# Altium PCB 28Pins_Project_V111_PCB.PcbDoc (continued)
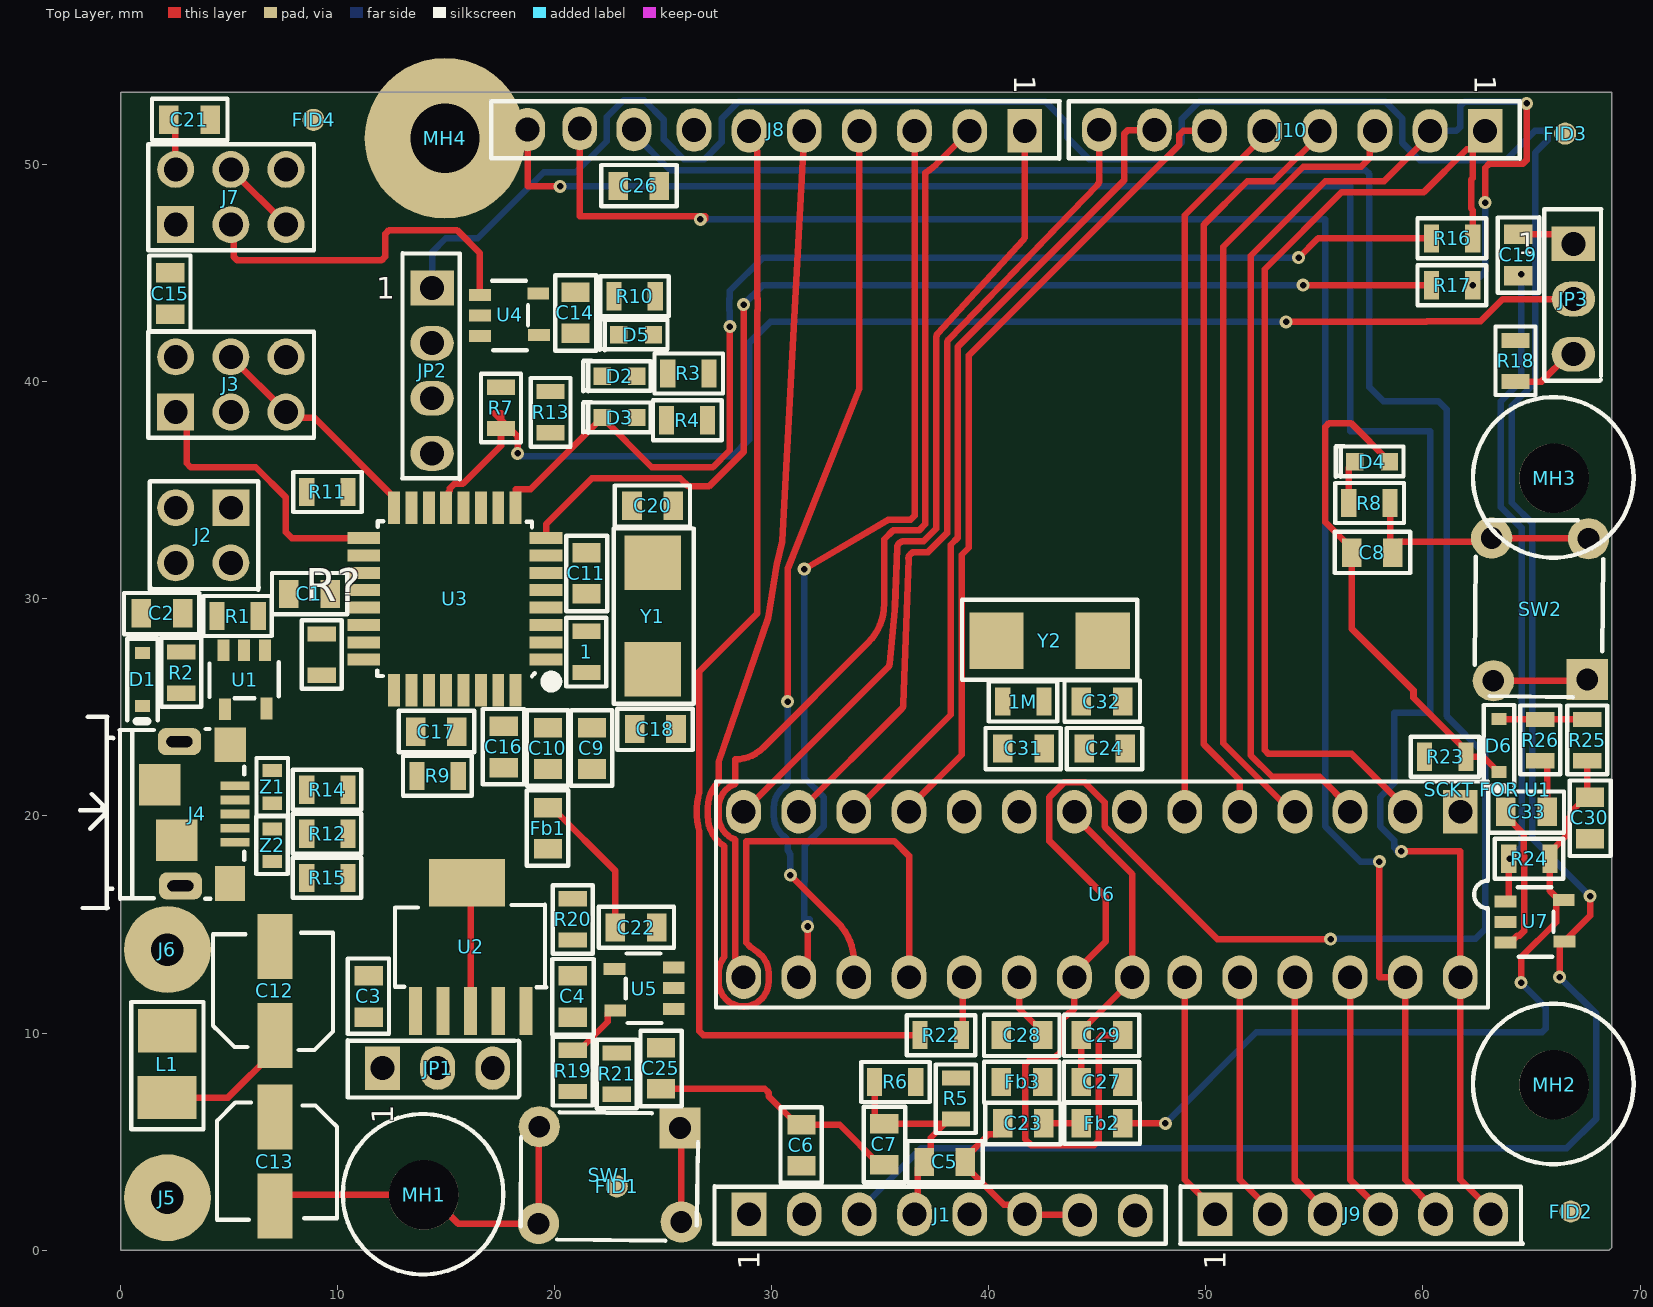
[diagram p0: Top Layer view]
## Part data (continued)
R16 R17 R18: library part RC0805FR-071KL, "Res Thick Film 0805 1KOhm 1% 0.125W(1/8W) 100ppm/C Epoxy Pad SMD T/R", Case Code (Imperial)=0805, Case Code (Metric)=2012, Manufacturer=Yageo, Max Operating Temperature=155°C, Max Power Dissipation=125mW, Min Operating Temperature=-55°C, Package Quantity=1, Resistance=1kR, Resistance Tolerance=1%, Resistor Type="Thick Film", Supplier Part Number 1=311-1.00KCRTR-ND, Temperature Coefficient=100ppm/°C, Voltage Rating=150V, Case/Package=0805, Category="Chip SMD Resistors", ComponentLink1Description=https://datasheet.ciiva.com/46385/444164-46385020.pdf?src-supplier=Element14, ComponentLink1URL=https://datasheet.ciiva.com/46385/444164-46385020.pdf?src-supplier=Element14, ComponentLink2Description=https://datasheet.ciiva.com/2456/pyu-r-int-thick-7-2456975.pdf?src-supplier=Digi-Key, ComponentLink2URL=https://datasheet.ciiva.com/2456/pyu-r-int-thick-7-2456975.pdf?src-supplier=Digi-Key, ComponentLink3Description=https://datasheet.ciiva.com/2456/pyu-r-int-thick-7-2456976.pdf?src-supplier=Digi-Key, ComponentLink3URL=https://datasheet.ciiva.com/2456/pyu-r-int-thick-7-2456976.pdf?src-supplier=Digi-Key, ComponentLink4Description=https://datasheet.ciiva.com/2456/pyu-r-int-thick-7-2456977.pdf?src-supplier=Digi-Key, ComponentLink4URL=https://datasheet.ciiva.com/2456/pyu-r-int-thick-7-2456977.pdf?src-supplier=Digi-Key, ComponentLink5Description=https://datasheet.ciiva.com/16850/rc0805-16850409.pdf?src-supplier=Future+Electronics, ComponentLink5URL=https://datasheet.ciiva.com/16850/rc0805-16850409.pdf?src-supplier=Future+Electronics, ComponentLink6Description=https://datasheet.ciiva.com/7941/1686128-7941719.pdf?src-supplier=Element14, ComponentLink6URL=https://datasheet.ciiva.com/7941/1686128-7941719.pdf?src-supplier=Element14, Construction=Rectangular, Depth=1.25mm, Features="Moisture Resistant", Height=0.024inch, Lead Free="Lead Free", Length=0.079inch, Manufacturer Part Number=RC0805FR-071KL, Military Standard=Not, Number of Pins=2, Number of Terminations=2, Packaging="Tape and Reel", Power Rating=125mW, Pricing 1="5000=0.00544 (USD)", REACH SVHC=Unknown, RoHS=Yes, RoHS Compliant=Yes, Series=RC, Size Code=0805, Stock 1=5888273, Supplier 1=Digi-Key, Termination=SMD/SMT, Tolerance=1%, Voltage Rating (DC)=150V, Width=0.049inch
"SCKT FOR U1": library part 4828-3004-CP, "Socket DIP 28Cnts DualWipe 0.3InSpc. PhosphorBronze Nickel KinkedTail 4800Series", Current Rating=1A, Insulation Resistance=5GR, Manufacturer=3M, Max Operating Temperature=85°C, Min Operating Temperature=-25°C, Package Quantity=5600, Supplier Part Number 1=3M5480-ND, Category=Connectors, ComponentLink1Description=https://datasheet.ciiva.com/768/ts1099-768354.pdf?src-supplier=Digi-Key, ComponentLink1URL=https://datasheet.ciiva.com/768/ts1099-768354.pdf?src-supplier=Digi-Key, Connector Type=DIP, Contact Material=Bronze, Contact Plating=Tin, Depth=10.16mm, Gender=Female, Housing Material=Glass, Insulation Material=Polyester, Lead Free="Lead Free", Length=35.43mm, Manufacturer Part Number=4828-3004-CP, Mount="Through Hole", Number of Contacts=28, Number of Positions=28, Number of Rows=2, Orientation=Straight, Pitch=2.54mm, Pricing 1="1=0.90000, 10=0.76200, 25=0.73040, 40=0.71500, 80=0.68388, 230=0.62174, 440=0.55959, 945=0.49741, 2400=0.45078 (USD)", REACH SVHC=Unknown, RoHS=Yes, Row Spacing=7.62mm, Series=4800, Stock 1=8710, Supplier 1=Digi-Key, Termination=Solder, Width=10.16mm
SW1 SW2: "Switch Tactile OFF (ON) SPST Round Button PC Pins 0.05A 24VDC 1.57N Thru-Hole Loose", Actuator Color=Black, Contact Current Rating=50mA, Contact Resistance=100mR, Manufacturer="TE Connectivity Alcoswitch", Max Operating Temperature=85°C, Max Voltage Rating (DC)=24V, Min Operating Temperature=-35°C, Operating Force=160gf, Package Quantity=750, Supplier Part Number 1=450-1650-ND, Actuator Length=0.055inch, Actuator Material=PBT, Actuator Type=Standard, Category="Pushbutton Switches", ComponentLink1Description=https://datasheet.ciiva.com/30199/1825910-6rqpn1825910-6-30199520.pdf?src-supplier=Onlinecomponents.com, ComponentLink1URL=https://datasheet.ciiva.com/30199/1825910-6rqpn1825910-6-30199520.pdf?src-supplier=Onlinecomponents.com, ComponentLink2Description=https://datasheet.ciiva.com/15184/getdatasheetpartid-395915-15184509.pdf?src-supplier=Verical, ComponentLink2URL=https://datasheet.ciiva.com/15184/getdatasheetpartid-395915-15184509.pdf?src-supplier=Verical, Contact Material="Copper Alloy", Contact Plating=Silver, Electrical Life=100000Cycles, ELV=Compliant, Illumination Type=Non-Illuminated,Illuminated, Lead Free="Lead Free", Length=5.99mm, Manufacturer Part Number=1825910-6, Max Current Rating=50mA, Mechanical Life=100000Cycles, Mount="Through Hole", Orientation=Straight, Packaging="Loose Piece", Pricing 1="1=0.11000, 10=0.11100, 25=0.10520, 100=0.09550, 250=0.08980, 500=0.08216, 1000=0.06879, 2500=0.06688, 5000=0.06306 (USD)", REACH SVHC=Unknown, RoHS=Yes, RoHS Compliant=Yes, Series=FSMJ, Stock 1=154147, Supplier 1=Digi-Key, Switch Function=Off-Mom, Switch Travel=0.25mm, Termination="PC Pins", Throw Configuration=SPST, Type=Switch
U1 U4 U5 U7: "Single 2-input, 2-V to 5.5-V AND gate with open-drain outputs 5-SOT-23 -55 to 125", Case/Package=SOT-23, Low Level Output Current=8mA, Manufacturer="Texas Instruments", Max Operating Temperature=125°C, Max Supply Voltage=5.5V, Min Operating Temperature=-55°C, Min Supply Voltage=2V, Output Current=25mA, Package Quantity=3000, Quiescent Current=1uA, Supplier Part Number 1=296-29202-1-ND, Category="Logic Gates", ComponentLink1Description=https://datasheet.ciiva.com/1864/sn74ahc1g09-1864410.pdf?src-supplier=Digi-Key, ComponentLink1URL=https://datasheet.ciiva.com/1864/sn74ahc1g09-1864410.pdf?src-supplier=Digi-Key, ComponentLink2Description=https://datasheet.ciiva.com/1864/sn74ahc1g09-1864411.pdf?src-supplier=Digi-Key, ComponentLink2URL=https://datasheet.ciiva.com/1864/sn74ahc1g09-1864411.pdf?src-supplier=Digi-Key, ComponentLink3Description=https://datasheet.ciiva.com/1864/sn74ahc1g09-1864412.pdf?src-supplier=Digi-Key, ComponentLink3URL=https://datasheet.ciiva.com/1864/sn74ahc1g09-1864412.pdf?src-supplier=Digi-Key, Contact Plating=Tin,Matte, Lead Free="Lead Free", Logic Function="AND GATE", Manufacturer Part Number=SN74AHC1G09DBVR, Mount="Surface Mount", Number of Bits=1, Number of Circuits=1, Number of Elements=1, Number of Gates=1, Number of Inputs=2, Number of Outputs=1, Number of Pins=5, Output Voltage=5.5V, Packaging="Tape and Reel", Pricing 1="1=0.48000, 10=0.35600, 25=0.31160, 100=0.20170, 250=0.16696, 500=0.13356, 1000=0.10240 (USD)", Propagation Delay=7.5ns, Radiation Hardening=No, REACH SVHC="No SVHC", RoHS=Yes, RoHS Compliant=Yes, Series=74AHC, Supplier 1=Digi-Key, Technology=CMOS
U2: "LDO Regulator Pos 3.3V 1.5A 6-Pin(5+Tab) SOT-223 T/R", Case/Package=SOT-223, Dropout Voltage=340mV, Input Bias Current=1mA, Manufacturer="Texas Instruments", Max Input Voltage=20V, Max Operating Temperature=125°C, Max Output Current=1.5A, Max Output Voltage=3.3V, Min Current Limit=1.6A, Min Input Voltage=2.1V, Min Operating Temperature=-40°C, Package Quantity=1, Supplier Part Number 1=296-24534-1-ND, Accuracy=3%, Category="Voltage Regulators - Linear", ComponentLink1Description=https://datasheet.ciiva.com/2046/tl1963a-2046161.pdf?src-supplier=Digi-Key, ComponentLink1URL=https://datasheet.ciiva.com/2046/tl1963a-2046161.pdf?src-supplier=Digi-Key, ComponentLink2Description=https://datasheet.ciiva.com/2046/tl1963a-2046162.pdf?src-supplier=Digi-Key, ComponentLink2URL=https://datasheet.ciiva.com/2046/tl1963a-2046162.pdf?src-supplier=Digi-Key, ComponentLink3Description=https://datasheet.ciiva.com/2046/tl1963a-2046163.pdf?src-supplier=Digi-Key, ComponentLink3URL=https://datasheet.ciiva.com/2046/tl1963a-2046163.pdf?src-supplier=Digi-Key, ComponentLink4Description=https://datasheet.ciiva.com/26176/tl1963a-25-26176569.pdf?src-supplier=Avnet+Europe, ComponentLink4URL=https://datasheet.ciiva.com/26176/tl1963a-25-26176569.pdf?src-supplier=Avnet+Europe, Contact Plating=Gold, Lead Free="Lead Free", Manufacturer Part Number=TL1963A-33DCQR, Min Output Voltage=3.3V, Number of Outputs=1, Number of Pins=6, Number of Regulators=1, Output Current=1.5A, Output Type=Fixed, Output Voltage=3.3V, Packaging="Tape and Reel", Polarity=Positive, Pricing 1="1=3.62000, 10=3.25200, 25=3.07440, 100=2.66440, 250=2.52772, 500=2.26812, 1000=2.25575 (USD)", Quiescent Current=1mA, Radiation Hardening=No, RoHS=Yes, RoHS Compliant=Yes, Series=-, Supplier 1=Digi-Key
U3: library part ATMEGA16U2-AU, "ATmega Series 16 KB Flash 512 B RAM 16 MHz 8-Bit Microcontroller - TQFP-32", Case/Package=A, Frequency=16MHz, Manufacturer="Microchip / Atmel", Max Operating Temperature=85°C, Max Supply Voltage=5.5V, Min Operating Temperature=-40°C, Min Supply Voltage=2.7V, Package Quantity=1250, Category=Microcontrollers, ComponentLink1Description=https://datasheet.ciiva.com/13036/doc7799-28769-13036800.pdf?src-supplier=Mouser, ComponentLink1URL=https://datasheet.ciiva.com/13036/doc7799-28769-13036800.pdf?src-supplier=Mouser, ComponentLink2Description=https://datasheet.ciiva.com/22651/doc7799-22651110.pdf?src-supplier=Farnell, ComponentLink2URL=https://datasheet.ciiva.com/22651/doc7799-22651110.pdf?src-supplier=Farnell, Contact Plating=Tin,Matte, Core Architecture=AVR, Data Bus Width=8b, Height=1.05mm, Interface=SPI,UART,USB,USART,Serial, Lead Free="Lead Free", Length=7mm, Manufacturer Part Number=ATMEGA16U2-AU, Max Frequency=16MHz, Memory Size=16KB, Memory Type=FLASH, Mount="Surface Mount", Number of I/Os=22, Number of Pins=32, Number of Programmable I/O=22, Number of PWM Channels=5, Number of SPI Channels=1, Number of Timers/Counters=2, Oscillator Type=Internal, Packaging=Tray, Peripherals="Brown-out Detect/Reset,POR,PWM,WDT", RAM Size=512B, REACH SVHC="No SVHC", RoHS=Yes, RoHS Compliant=Yes, Series="AVR® ATmega", Supplier 1="Arrow Electronics", Supplier Part Number 1=ATMEGA16U2-AU, Watchdog Timer=Yes, Width=7mm
U6: "IC MCU 8BIT 32KB FLASH 28DIP", Manufacturer=Microchip, Supplier Part Number 1=ATMEGA328P-PU-ND, Category=Microcontrollers, ComponentLink1Description=http://www.microchip.com/mymicrochip/filehandler.aspx?ddocname=en589968&src-supplier=Jameco, ComponentLink1URL=http://www.microchip.com/mymicrochip/filehandler.aspx?ddocname=en589968&src-supplier=Jameco, ComponentLink2Description=http://www.microchip.com/mymicrochip/filehandler.aspx?ddocname=en589968&src-supplier=Avnet+Europe, ComponentLink2URL=http://www.microchip.com/mymicrochip/filehandler.aspx?ddocname=en589968&src-supplier=Avnet+Europe, ComponentLink3Description=http://www.microchip.com/mymicrochip/filehandler.aspx?ddocname=en589968&src-supplier=Digi-Key, ComponentLink3URL=http://www.microchip.com/mymicrochip/filehandler.aspx?ddocname=en589968&src-supplier=Digi-Key, ComponentLink4Description=http://www.microchip.com/mymicrochip/filehandler.aspx?ddocname=en589968&src-supplier=Onlinecomponents.com, ComponentLink4URL=http://www.microchip.com/mymicrochip/filehandler.aspx?ddocname=en589968&src-supplier=Onlinecomponents.com, ComponentLink5Description=http://www.microchip.com/mymicrochip/filehandler.aspx?ddocname=en589968&src-supplier=Avnet, ComponentLink5URL=http://www.microchip.com/mymicrochip/filehandler.aspx?ddocname=en589968&src-supplier=Avnet, ComponentLink6Description=http://www.farnell.com/datasheets/798182.pdf?src-supplier=Newark, ComponentLink6URL=http://www.farnell.com/datasheets/798182.pdf?src-supplier=Newark, ComponentLink7Description=http://www.microchip.com/mymicrochip/filehandler.aspx?ddocname=en589968&src-supplier=Verical, ComponentLink7URL=http://www.microchip.com/mymicrochip/filehandler.aspx?ddocname=en589968&src-supplier=Verical, ComponentLink8Description=http://www.farnell.com/datasheets/2047852.pdf?src-supplier=Element14, ComponentLink8URL=http://www.farnell.com/datasheets/2047852.pdf?src-supplier=Element14, ComponentLink9Description=https://4donline.ihs.com/images/VipMasterIC/IC/ATML/ATML-S-A0002642585/ATML-S-A0002642585-1.pdf?hkey=6D3A4C79FDBF58556ACFDE234799DDF0&src-supplier=Farnell, ComponentLink9URL=https://4donline.ihs.com/images/VipMasterIC/IC/ATML/ATML-S-A0002642585/ATML-S-A0002642585-1.pdf?hkey=6D3A4C79FDBF58556ACFDE234799DDF0&src-supplier=Farnell, ComponentLink10Description=http://www.microchip.com/mymicrochip/filehandler.aspx?ddocname=en589968&src-supplier=RSComponents, ComponentLink10URL=http://www.microchip.com/mymicrochip/filehandler.aspx?ddocname=en589968&src-supplier=RSComponents, ComponentLink11Description=http://www.microchip.com/mymicrochip/filehandler.aspx?ddocname=en589968&src-supplier=Mouser, ComponentLink11URL=http://www.microchip.com/mymicrochip/filehandler.aspx?ddocname=en589968&src-supplier=Mouser, ComponentLink12Description=http://www.microchip.com/mymicrochip/filehandler.aspx?ddocname=en589968&src-supplier=Conrad, ComponentLink12URL=http://www.microchip.com/mymicrochip/filehandler.aspx?ddocname=en589968&src-supplier=Conrad, ComponentLink13Description=http://www.microchip.com/mymicrochip/filehandler.aspx?ddocname=en589968&src-supplier=Rochester+Electronics, ComponentLink13URL=http://www.microchip.com/mymicrochip/filehandler.aspx?ddocname=en589968&src-supplier=Rochester+Electronics, ComponentLink14Description=http://www.microchip.com/mymicrochip/filehandler.aspx?ddocname=en589968&src-supplier=TME, ComponentLink14URL=http://www.microchip.com/mymicrochip/filehandler.aspx?ddocname=en589968&src-supplier=TME, ComponentLink15Description=http://www.microchip.com/mymicrochip/filehandler.aspx?ddocname=en589968&src-supplier=Schukat, ComponentLink15URL=http://www.microchip.com/mymicrochip/filehandler.aspx?ddocname=en589968&src-supplier=Schukat, ComponentLink16Description=http://www.microchip.com/mymicrochip/filehandler.aspx?ddocname=en589968&src-supplier=microchipDIRECT, ComponentLink16URL=http://www.microchip.com/mymicrochip/filehandler.aspx?ddocname=en589968&src-supplier=microchipDIRECT, ComponentLink17Description=http://www.microchip.com/mymicrochip/filehandler.aspx?ddocname=en589968&src-supplier=SOS+electronic, ComponentLink17URL=http://www.microchip.com/mymicrochip/filehandler.aspx?ddocname=en589968&src-supplier=SOS+electronic, ComponentLink18Description=http://www.microchip.com/mymicrochip/filehandler.aspx?ddocname=en589968&src-supplier=NAC+Semi, ComponentLink18URL=http://www.microchip.com/mymicrochip/filehandler.aspx?ddocname=en589968&src-supplier=NAC+Semi, ComponentLink19Description=http://www.microchip.com/mymicrochip/filehandler.aspx?ddocname=en589968&src-supplier=Electro+Sonic, ComponentLink19URL=http://www.microchip.com/mymicrochip/filehandler.aspx?ddocname=en589968&src-supplier=Electro+Sonic, Manufacturer Part Number=ATMEGA328P-PU, Number of Pins=28, Pricing 1="1=2.82000, 25=2.58760, 100=2.34000 (USD)", RoHS=Yes, RoHS Compliant=Yes, Stock 1=27334, Supplier 1=Digi-Key
Y1 Y2: "Crystal 16MHz ±20ppm (Tol) ±30ppm (Stability) 18pF FUND 50Ohm 2-Pin Mini-CSMD T/R", Case/Package=CSMD, ESR (Equivalent Series Resistance)=50R, Frequency=16MHz, Frequency Stability=30ppm, Frequency Tolerance=20ppm, Load Capacitance=18pF, Manufacturer=Abracon, Max Operating Temperature=85°C, Min Operating Temperature=-40°C, Operating Frequency="16 MHz", Package Quantity=1000, Resistor Type=Ceramic, Supplier Part Number 1=1710290, Category=Crystals, ComponentLink1Description=https://datasheet.ciiva.com/15116/getdatasheetpartid-721624-15116835.pdf?src-supplier=Verical, ComponentLink1URL=https://datasheet.ciiva.com/15116/getdatasheetpartid-721624-15116835.pdf?src-supplier=Verical, ComponentLink2Description=https://datasheet.ciiva.com/5788/abm7-5788054.pdf?src-supplier=Farnell, ComponentLink2URL=https://datasheet.ciiva.com/5788/abm7-5788054.pdf?src-supplier=Farnell, ComponentLink3Description=https://datasheet.ciiva.com/18649/abm7-18649865.pdf?src-supplier=Digi-Key, ComponentLink3URL=https://datasheet.ciiva.com/18649/abm7-18649865.pdf?src-supplier=Digi-Key, ComponentLink4Description=https://datasheet.ciiva.com/18649/abm7-18649866.pdf?src-supplier=Digi-Key, ComponentLink4URL=https://datasheet.ciiva.com/18649/abm7-18649866.pdf?src-supplier=Digi-Key, ComponentLink5Description=https://datasheet.ciiva.com/18649/abm7-18649867.pdf?src-supplier=Digi-Key, ComponentLink5URL=https://datasheet.ciiva.com/18649/abm7-18649867.pdf?src-supplier=Digi-Key, ComponentLink6Description=https://datasheet.ciiva.com/16383/abm7-16383174.pdf?src-supplier=Future+Electronics, ComponentLink6URL=https://datasheet.ciiva.com/16383/abm7-16383174.pdf?src-supplier=Future+Electronics, ComponentLink7Description=https://datasheet.ciiva.com/7998/947971-7998600.pdf?src-supplier=Element14, ComponentLink7URL=https://datasheet.ciiva.com/7998/947971-7998600.pdf?src-supplier=Element14, ComponentLink8Description=https://datasheet.ciiva.com/26941/getdatasheetpartid-719818-26941724.pdf?src-supplier=Verical, ComponentLink8URL=https://datasheet.ciiva.com/26941/getdatasheetpartid-719818-26941724.pdf?src-supplier=Verical, ComponentLink9Description=https://datasheet.ciiva.com/22658/947971-22658293.pdf?src-supplier=Element14, ComponentLink9URL=https://datasheet.ciiva.com/22658/947971-22658293.pdf?src-supplier=Element14, ComponentLink10Description=https://datasheet.ciiva.com/46385/947971-46385243.pdf?src-supplier=Element14, ComponentLink10URL=https://datasheet.ciiva.com/46385/947971-46385243.pdf?src-supplier=Element14, Depth=3.5mm, Height=0.055inch, Lead Free="Lead Free", Length=6mm, Manufacturer Part Number=ABM7-16.000MHZ-D2Y-T, Mount="Surface Mount", Number of Pins=2, Packaging="Tape and Reel", Pricing 1="1000=0.52200, 3000=0.50800, 1000=0.37700, 3000=0.36700 (USD)", Radiation Hardening=No, REACH SVHC=Unknown, RoHS=Yes, Series=ABM7, Stock 1=740, Supplier 1=RSComponents, Termination=SMD/SMT, Tolerance=20ppm, Width=3.3mm
Z1 Z2: "ESD Suppressor Multilayer Varistor 5V Automotive 2-Pin Case 0603(1608Metric) T/R", Capacitance=0.5pF, Case Code (Imperial)=0603, Case Code (Metric)=1608, Clamping Voltage=20V, Current Rating=50nA, Manufacturer=Bourns, Max Operating Temperature=85°C, Max Voltage Rating (DC)=5V, Min Operating Temperature=-40°C, Package Quantity=1, Supplier Part Number 1=CG0603MLC-05ETR-ND, Voltage Rating (AC)=8V, Case/Package=0603, Category=Varistors, ComponentLink1Description=https://datasheet.ciiva.com/27747/1163231-27747629.pdf?src-supplier=Jameco, ComponentLink1URL=https://datasheet.ciiva.com/27747/1163231-27747629.pdf?src-supplier=Jameco, ComponentLink2Description=https://datasheet.ciiva.com/1278/1785244-1278701.pdf?src-supplier=Element14, ComponentLink2URL=https://datasheet.ciiva.com/1278/1785244-1278701.pdf?src-supplier=Element14, ComponentLink3Description=https://datasheet.ciiva.com/8084/mlc-8084047.pdf?src-supplier=Avnet, ComponentLink3URL=https://datasheet.ciiva.com/8084/mlc-8084047.pdf?src-supplier=Avnet, ComponentLink4Description=https://datasheet.ciiva.com/6991/mlc-6991832.pdf?src-supplier=Digi-Key, ComponentLink4URL=https://datasheet.ciiva.com/6991/mlc-6991832.pdf?src-supplier=Digi-Key, ComponentLink5Description=https://datasheet.ciiva.com/6991/mlc-6991834.pdf?src-supplier=Digi-Key, ComponentLink5URL=https://datasheet.ciiva.com/6991/mlc-6991834.pdf?src-supplier=Digi-Key, ComponentLink6Description=https://datasheet.ciiva.com/6991/mlc-6991836.pdf?src-supplier=Digi-Key, ComponentLink6URL=https://datasheet.ciiva.com/6991/mlc-6991836.pdf?src-supplier=Digi-Key, ComponentLink7Description=https://datasheet.ciiva.com/30070/mlc-30070503.pdf?src-supplier=Onlinecomponents.com, ComponentLink7URL=https://datasheet.ciiva.com/30070/mlc-30070503.pdf?src-supplier=Onlinecomponents.com, ComponentLink8Description=https://datasheet.ciiva.com/25958/mlc-25958222.pdf?src-supplier=Avnet+Europe, ComponentLink8URL=https://datasheet.ciiva.com/25958/mlc-25958222.pdf?src-supplier=Avnet+Europe, ComponentLink9Description=https://datasheet.ciiva.com/22696/1785244-22696318.pdf?src-supplier=Element14, ComponentLink9URL=https://datasheet.ciiva.com/22696/1785244-22696318.pdf?src-supplier=Element14, Contact Plating=Tin, Depth=0.8mm, Element Configuration=Single, Leakage Current=50nA, Length=1.6mm, Manufacturer Part Number=CG0603MLC-05E, Number of Channels=1, Number of Circuits=1, Number of Pins=2, Operating Supply Voltage=5V, Packaging="Tape and Reel", Pricing 1="5000=0.08840, 10000=0.08060, 25000=0.07540, 50000=0.06916 (USD)", Radiation Hardening=No, REACH SVHC="No SVHC", RoHS=Yes, RoHS Compliant=Yes, Series=MLC, Stock 1=76176, Supplier 1=Digi-Key, Termination=SMD/SMT, Thickness=0.8mm, Turn-On Delay Time=1ns, Voltage=5V, Voltage Rating (DC)=5V, Width=0.8mm, Working Voltage=5V

## Via types
v1: diameter 0.6, hole 0.3, Top Layer to Bottom Layer, 25 vias

## Nets (pads, with @x,y where several pads share a name; then routed paths per layer and width w, separated by ;. In a path a pad name is that pad's centre, name@x,y a point inside that pad or via, vN(x,y) a via of type N, cw(c..) or ccw(c..) an arc to the next point about the centre after c; other vN are vias at no path point)
16U2_16MHZ_XTAL1: 1.1 C20.2 U3.1 Y1.1
16U2_16MHZ_XTAL2: 1.2 C18.2 R13.2 U3.2 Y1.2
16U2_BUF_RESETn: C2.2 R2.2 U1.1 U1.2
16U2_MISO: J3.1 U3.17 | length 13.1
  Top Layer w0.3: J3.1 3.048,38.1 3.048,36.244 3.224,36.068 6.223,36.068 7.62,34.671 7.62,33.069 7.889,32.8 U3.17
16U2_MOSI: J3.4 U3.16 | length 10.7
  Top Layer w0.3: J3.4@5.08,41.148 7.62,38.608 7.873,38.355 8.92,38.355 12.6,34.675 U3.16
16U2_PB4: J2.1 JP2.2 U3.18
16U2_RESETn: JP2.3 JP2.4 R?.2 U1.4 U3.24
16U2_RX_LED: D3.1 R16.1 U3.9 U3.10 | length 54
  Top Layer w0.3: U3.9 18.21,34.21 18.21,35.052 18.885,35.052 D3.1 24.473,36.068 27.288,36.068 28.067,36.847 v1(28.067,42.545) ; v1(54.276,45.72) 55.165,46.609 R16.1
  Bottom Layer w0.3: v1(28.067,42.545) 28.067,43.277 28.052,43.292 28.052,43.83 28.067,43.845 28.067,44.196 29.591,45.72 v1(54.276,45.72)
16U2_RXD: R17.1 U3.8 | length 50.3
  Top Layer w0.3: U3.8 19.6,33.443 21.717,35.56 25.786,35.56 26.167,35.179 27.106,35.179 28.717,36.79 28.717,43.546 v1(28.702,43.561) ; v1(54.483,44.45) R17.1
  Bottom Layer w0.3: v1(28.702,43.561) 29.591,44.45 v1(54.483,44.45)
16U2_SCLK: J3.3 R11.2
16U2_SCLK_R: R11.1 U3.15
16U2_TX_LED: D2.1 U3.11
16U2PROG_328P_RESETn: JP3.2 R7.1 U3.13 | length 62.6
  Top Layer w0.3: U3.13 15.125,34.325 15.125,34.926 15.175,34.976 15.175,35.095 15.38,35.3 15.775,35.3 17.526,37.051 R7.1 17.526,38.256 ; v1(18.288,36.703) 18.288,37.494 17.526,38.256 ; v1(53.694,42.757) 60.156,42.757 60.198,42.799 62.655,42.799 63.671,43.815 JP3.2 ; 17.526,38.256 17.223,38.559 17.526,38.559 17.526,38.256
  Bottom Layer w0.3: v1@18.2,36.703 18.327,36.576 28.194,36.576 28.956,37.338 28.956,41.783 29.93,42.757 v1(53.694,42.757)
"328p BUF RESETn": C33.2 R26.2 U7.2 | length 2.5
  Top Layer w0.3: R26.2 65.52,22.545 65.72,22.345 C33.2
328P_16MHZ_XTAL1: 1M.1 C32.2 U6.9 Y2.1
328P_16MHZ_XTAL2: 1M.2 C31.2 U6.10 Y2.2
328P_AUTORESETn: C19.1 R24.1 U7.1 | length 30.1
  Top Layer w0.3: U7.1 63.822,16.063 63.947,16.188 R24.1 ; C19.1 64.455,44.897 v1(64.516,44.958)
  Bottom Layer w0.3: v1(64.008,18.034) 64.541,18.567 64.541,33.271 63.59,34.222 63.59,39.102 64.516,40.028 v1(64.516,44.958)
328P_RESETn: J1.3 JP2.1 R23.1 U6.1 U7.4 | length 150.9
  Top Layer w0.3: v1(66.294,12.573) 66.294,14.099 66.419,14.224 U7.4 67.699,15.399 v1(67.699,16.303)
  Bottom Layer w0.3: v1(14.351,44.323) 14.351,45.974 14.986,46.609 16.456,46.609 19.5,49.653 20.971,49.653 22.402,51.084 22.402,52.202 23.172,52.971 24.124,52.971 25.034,52.062 25.034,51.163 25.943,50.254 26.895,50.254 27.688,51.046 27.688,52.12 28.48,52.912 42.601,52.912 43.612,51.901 43.612,51.259 44.623,50.248 48.107,50.248 48.898,51.039 48.898,52.121 49.689,52.912 58.261,52.912 59.055,52.118 59.055,51.006 59.849,50.212 63.81,50.212 65.16,51.562 65.567,51.562 65.743,51.386 65.743,51.138 65.166,50.561 65.166,39.97 64.09,38.894 64.09,34.429 65.041,33.478 65.041,18.96 v1(67.699,16.303) ; J1.3 34.163,1.651 34.417,1.397 34.417,2.232 36.884,4.699 66.626,4.699 67.99,6.063 67.99,10.877 v1(66.294,12.573)
+3V3: C3.2 C4.2 C5.2 C7.2 C13.1 C16.2 J1.4 J1.5 J5.1 JP1.1 JP1.3 L1.2 R5.1 R6.2 U2.1 U2.2 U2.5 U3.31 | length 10
  Top Layer w0.3: R6.2 34.737,6.127 35.037,5.827 C7.2 R5.1@37.973,5.827 ; J1.4 36.723,1.798 36.723,3.764 C5.2 37.323,4.364 37.323,5.177 R5.1@37.973,5.827 ; R5.1@38.181,6.035 R5.1@37.973,5.827
+3V3_16U2_UCAP: C17.1 R9.1 U3.27
+5V/3V3: C1.2 C6.2 C8.2 C14.2 C15.2 C21.2 C22.2 C30.2 D1.1 D4.2 D6.1 Fb1.1 Fb2.1 Fb3.1 J1.2 J3.2 J7.2 JP1.2 R1.2 R3.2 R4.2 R5.2 R6.1 R7.2 R10.2 R13.1 R19.2 R23.2 R24.2 R25.2 R?.1 U1.5 U4.5 U5.5 U7.5 | length 72
  Top Layer w0.3: C21.2 2.525,51.77 2.525,49.799 J7.2 ; Fb1.1 19.885,20.381 22.799,17.467 C22.2 ; R19.2 21.128,9.205 22.446,10.523 22.446,10.919 22.571,11.044 U5.5 ; Fb2.1 v1(48.133,5.842) ; D4.2 56.68,38.1 55.675,38.1 55.499,37.924 55.499,33.54 56.708,32.331 C8.2 56.708,28.636 59.563,25.781 59.563,25.446 61.976,23.033 R23.2 62.776,22.733 63.307,22.202 63.307,22.151 63.436,22.022 D6.1 ; v1(64.516,12.319) 64.516,13.486 66.135,15.106 66.135,16.009 U7.5@66.26,16.134 ; U7.5 U7.5@66.26,16.134 ; R25.2 67.564,20.984 C30.2 67.491,20.857 66.801,20.168 66.801,19.992 66.691,19.882 66.691,19.178 65.847,18.334 R24.2 65.847,16.547 U7.5@66.26,16.134
  Bottom Layer w0.3: v1(48.133,5.842) 52.324,10.033 65.483,10.033 65.659,10.209 65.659,11.176 v1(64.516,12.319)
+5V/3V3_16U2: C9.2 C10.2 C11.2 Fb1.2 R9.2 U3.4 U3.32
+5V/3V3_328P_AVCC: C27.2 C28.2 Fb3.2 U6.20 | length 3.1
  Top Layer w0.3: U6.20 41.402,11.123 42.119,10.406 42.179,10.406 42.479,10.106 C28.2
+5V/3V3_328P_VCC: C23.2 C24.2 Fb2.2 U6.7 | length 1.7
  Top Layer w0.3: C23.2 Fb2.2
+5V_USB: C12.1 J4.1 L1.1 | length 6.6
  Top Layer w0.3: L1.1 4.954,7.03 7.112,9.188 C12.1
+AREF: C26.2 C29.2 J8.8 U6.21 | length 126
  Top Layer w0.3: C29.2 45.238,9.906 45.062,9.73 45.062,5.047 44.857,4.842 41.945,4.842 41.679,5.108 41.679,8.542 41.991,8.854 43.022,8.854 43.334,9.167 43.334,10.573 43.667,10.906 43.725,10.906 43.942,11.123 43.942,12.773 45.393,14.224 45.393,16.246 42.792,18.847 42.792,20.869 43.466,21.543 44.418,21.543 45.332,20.629 45.332,19.517 50.52,14.328 v1(55.744,14.328)
  Bottom Layer w0.3: J8.8 23.648,51.421 25.322,49.748 57.355,49.748 57.531,49.572 57.531,39.751 58.166,39.116 60.706,39.116 61.087,38.735 61.087,24.606 62.872,22.821 62.872,14.788 62.435,14.351 55.766,14.351 v1(55.744,14.328)
\: R19.1 R21.1 SW1.1 SW1.2 | length 4.3
  Top Layer w0.3: SW1.1 25.833,5.562 SW1.2
AD0: J9.1 U6.23 | length 11.5
  Top Layer w0.3: U6.23 49.022,3.248 50.419,1.851 J9.1
AD1: J9.2 U6.24 | length 11.5
  Top Layer w0.3: U6.24 51.562,3.248 52.959,1.851 J9.2
AD2: J9.3 U6.25 | length 11.5
  Top Layer w0.3: U6.25 54.102,3.248 55.499,1.851 J9.3
AD3: J9.4 U6.26 | length 11.5
  Top Layer w0.3: U6.26 56.642,3.248 58.039,1.851 J9.4
AD4/SDA: J8.9 J9.5 U6.27 | length 88.1
  Top Layer w0.3: J8.9 21.157,47.625 26.924,47.625 26.924,47.488 v1(26.709,47.488) ; v1(57.987,17.899) 57.987,12.573 U6.27 59.182,3.248 60.579,1.851 J9.5
  Bottom Layer w0.3: v1(26.709,47.488) 55.499,47.488 55.499,24.179 55.492,24.172 55.492,19.517 57.109,17.899 v1(57.987,17.899)
AD5/SCL: J8.10 J9.6 U6.28 | length 97.4
  Top Layer w0.3: J8.10 18.753,49.003 v1(20.246,49.003) ; v1(59.003,18.374) 61.722,18.374 U6.28 61.722,3.248 63.119,1.851 J9.6
  Bottom Layer w0.3: v1(20.246,49.003) 56.642,49.003 56.642,37.719 60.325,37.719 60.325,24.765 58.674,24.765 58.674,21.511 58.032,20.869 58.032,19.517 58.674,18.875 58.674,18.542 58.801,18.542 58.801,18.374 v1(59.003,18.374)
BUTTON_RESETn: D6.2 R25.1 R26.1 SW2.1 SW2.2 | length 8.4
  Top Layer w0.3: SW2.2 67.505,26.23 SW2.1 ; D6.2 63.508,24.453 65.397,24.453 R26.1 R25.1
CON_USB_N: J4.2 R12.1
CON_USB_P: J4.3 R14.1
GND: C2.1 C3.1 C4.1 C5.1 C6.1 C7.1 C8.1 C9.1 C10.1 C12.2 C13.2 C14.1 C15.1 C17.2 C18.1 C20.1 C21.1 C22.1 C23.1 C24.1 C25.1 C26.1 C27.1 C28.1 C29.1 C31.1 C32.1 C33.1 J1.6 J1.7 J4.5 J6.1 J7.6 J8.7 MH1.1 MH2.1 MH3.1 R8.1 R15.1 R18.1 SW1.3 SW1.4 SW2.3 SW2.4 U1.3 U2.3 U2.6 U3.3 U3.28 U4.3 U5.3 U6.8 U6.22 U7.3 Z1.1 | length 77.5
  Top Layer w0.3: C13.2 7.62,2.54 MH1.1 14.231,2.54 15.55,1.221 SW1.4 19.271,1.239 19.271,5.666 SW1.3 ; U2.6 16.129,16.761 U2.3 ; C25.1 29.676,7.432 29.852,7.256 29.852,7.093 31.169,5.776 C6.1 33.13,5.776 34.979,3.927 C7.1 ; C23.1 40.64,5.642 40.34,5.342 40.001,5.342 38.923,4.264 C5.1 38.923,3.864 40.687,2.1 41.207,2.1 J1.6 41.674,1.633 44.173,1.633 J1.7 ; U6.8 43.942,19.993 46.609,17.326 U6.22 46.609,12.453 44.262,10.106 C29.1 C27.1 ; R8.1 58.481,32.258 C8.1 58.608,32.331 58.908,32.631 62.986,32.631 SW2.4 63.182,32.791 67.609,32.791 SW2.3 ; U7.3 64.026,14.163 64.351,14.488 64.446,14.488 64.658,14.7 64.658,18.153 ; C33.1 63.82,19.993 64.647,19.166 64.647,18.153
IO0: J10.1 R16.2 U6.2 | length 47.1
  Top Layer w0.3: U6.2 59.182,20.393 56.715,22.86 52.881,22.86 52.705,23.036 52.705,45.186 56.261,48.742 60.045,48.742 62.015,50.712 62.215,50.712 J10.1@62.291,50.788 ; R16.2 62.291,47.915 62.215,47.991 62.215,49.313 62.291,49.389 J10.1@62.291,50.788 ; J10.1 62.291,50.988 J10.1@62.291,50.788
IO1: J10.2 R17.2 U6.3 | length 55.6
  Top Layer w0.3: U6.3 56.642,20.393 55.232,21.803 53.055,21.803 52.07,22.788 52.07,45.813 55.499,49.242 58.205,49.242 60.325,51.362 J10.2 ; v1(62.865,48.26) 62.865,49.862 63.041,50.038 64.594,50.038 64.77,50.214 v1(64.77,52.832)
  Bottom Layer w0.3: J10.2 61.539,51.562 61.715,51.738 61.715,52.707 61.92,52.912 64.85,52.912 v1(64.77,52.832) ; v1(62.291,44.45) 62.291,44.511 62.865,45.085 v1(62.865,48.26)
IO2: J10.3 U6.4 | length 37.3
  Top Layer w0.3: U6.4 53.958,20.193 50.8,23.351 50.8,46.228 54.483,49.911 57.15,49.911 57.536,50.297 57.536,51.313 J10.3
IO3: J10.4 U6.5 | length 35
  Top Layer w0.3: U6.5 51.562,21.643 49.911,23.294 49.911,47.244 51.909,49.242 53.107,49.242 54.276,50.411 54.294,50.411 55.245,51.362 J10.4
IO4: J10.5 U6.6 | length 32.9
  Top Layer w0.3: U6.6 49.022,47.679 52.705,51.362 J10.5
IO5: J10.6 U6.11 | length 37.8
  Top Layer w0.3: U6.11 36.322,20.393 38.749,22.82 38.749,32.031 39.076,32.358 39.076,41.217 46.246,48.387 48.78,50.921 48.78,51.386 48.956,51.562 J10.6
IO6: J10.7 U6.12 | length 37.9
  Top Layer w0.3: U6.12 38.249,24.66 38.249,32.5 38.576,32.827 38.576,41.624 46.232,49.28 46.232,51.422 46.408,51.598 J10.7
IO7: J10.8 U6.13 | length 37.3
  Top Layer w0.3: U6.13 35.98,24.931 ccw(c35.767,25.142) 36.067,25.133 36.299,31.865 cw(c36.599,31.855) 36.599,32.155 37.197,32.155 38.076,33.034 38.076,41.761 cw(c38.376,41.761) 38.159,41.968 44.997,49.063 ccw(c44.782,49.272) 45.082,49.269 45.082,49.27 J10.8
IO8: J8.1 R20.2 U6.14 | length 37
  Top Layer w0.3: U6.14 35.345,26.836 ccw(c35.133,27.048) 35.432,27.021 35.665,29.484 ccw(c32.639,29.772) 35.677,29.656 35.782,32.367 cw(c36.082,32.355) 36.082,32.655 36.99,32.655 37.576,33.241 37.576,42.036 cw(c37.876,42.036) 37.655,42.239 41.577,46.53 ccw(c41.356,46.733) 41.656,46.733 J8.1
IO9: J8.2 U6.15 | length 45.2
  Top Layer w0.3: U6.15 cw(c29.622,13.493) 28.321,13.493 28.321,18.908 cw(c28.702,19.993) 27.552,19.993 27.552,20.393 cw(c28.702,20.393) 28.321,21.478 28.321,22.606 ccw(c28.321,24.402) 29.591,23.132 34.435,27.976 ccw(c32.639,29.772) 35.179,29.772 35.179,32.748 35.586,33.155 36.783,33.155 37.076,33.448 37.076,49.633 ccw(c35.778,51.816) 37.574,50.02 J8.2
MISO: J7.1 J8.5 U6.18 | length 64
  Top Layer w0.3: J8.5 31.496,51.486 30.486,32.652 30.234,31.592 29.837,29.13 27.552,22.475 27.552,22.432 27.552,21.576 ccw(c28.702,20.393) 27.052,20.393 27.052,19.993 ccw(c28.702,19.993) 27.821,18.598 27.821,13.512 ccw(c28.702,12.773) 27.552,12.773 27.552,12.373 ccw(c28.702,12.373) 29.852,12.373 29.852,12.773 ccw(c28.702,12.773) 29.385,13.698 28.997,13.985 28.821,14.161 28.821,18.843 35.64,18.843 36.322,18.161 U6.18
MOSI: J7.4 J8.4 U6.17 | length 44.8
  Top Layer w0.3: J7.4@5.08,49.784 J7.4@7.62,47.244 ; v1(30.734,25.273) 30.734,31.136 30.734,31.384 34.036,39.709 J8.4 ; v1(30.861,17.272) 33.038,15.095 cw(c31.242,13.299) 33.782,13.299 U6.17
  Bottom Layer w0.3: v1(30.734,25.273) 30.734,21.598 cw(c30.434,21.597) 30.601,21.348 ccw(c31.242,20.393) 30.092,20.393 30.092,19.993 ccw(c31.242,19.993) 30.601,19.038 cw(c30.434,18.789) 30.734,18.788 30.734,18.415 cw(c30.427,18.108) 30.861,18.108 v1(30.861,17.272)
NetC19_2: C19.2 JP3.1 | length 2.7
  Top Layer w0.3: C19.2 66.487,46.797 JP3.1
NetD1_2: D1.2 R1.1 R2.1
NetD2_2: D2.2 R3.1
NetD3_2: D3.2 R4.1
NetD4_1: D4.1 R8.2 | length 2
  Top Layer w0.3: R8.2 56.581,36.045 D4.1
NetD5_1: D5.1 U4.4
NetJ4_4: J4.4 R15.2
NetJP3_3: JP3.3 R18.2 | length 3.2
  Top Layer w0.3: R18.2 65.464,40.01 66.729,41.275 JP3.3
NetR12_2: R12.2 R14.2 U3.29 U3.30 Z1.2 Z2.2
NetR20_1: R20.1 U5.4
PB5: J2.3 U3.19
PB6: J2.2 U3.20
PB7: J2.4 U3.21
SCK: J7.3 J8.6 R22.2 U4.1 U4.2 | length 69.5
  Top Layer w0.3: J7.3 5.207,47.117 5.207,45.769 5.383,45.593 12.016,45.593 12.192,45.769 12.192,46.814 12.368,46.99 15.494,46.99 16.557,45.927 U4.1 ; J8.6 28.956,51.01 29.337,50.629 29.337,43.845 29.352,43.83 29.352,43.292 29.337,43.277 29.337,29.337 26.67,26.67 26.67,21.095 ccw(c28.702,20.393) 26.552,20.393 26.552,19.993 ccw(c28.702,19.993) 26.67,19.291 26.67,10.082 26.846,9.906 R22.2
SCK_R: R22.1 U6.19 | length 2.7
  Top Layer w0.3: R22.1 38.798,9.97 38.798,12.509 U6.19
SS: J8.3 U6.16 | length 43.8
  Top Layer w0.3: U6.16 31.651,12.573 v1(31.651,14.908) ; v1(31.496,31.369) 35.379,33.655 36.4,33.655 36.576,33.831 J8.3
  Bottom Layer w0.3: v1(31.496,31.369) 31.496,21.765 32.392,20.869 32.392,19.517 31.511,18.636 31.511,17.003 31.496,16.988 31.496,15.24 31.75,15.24 31.75,14.908 v1(31.651,14.908)
USER_BUTTON_BUF: C25.2 R21.2 U5.1 U5.2
pads on no net: C1.1 C11.1 C16.1 C30.1 D5.2 FID1.1 FID2.1 FID3.1 FID4.1 J1.1 J1.8 J3.6 J4.6 J4.7 J4.8 J4.9 J4.10 J4.11 MH4.1 R10.1 U2.4 U3.5 U3.6 U3.7 U3.12 U3.14 U3.22 U3.23 U3.25 U3.26 Z2.1

## Silkscreen, mask and mechanical layers (free items; w line width, h text height)
Drill Drawing:
  lines w0.2: 0,0.254 0.381,-0.127 68.326,-0.127 68.707,0.254 68.707,53.467 0.381,53.467 0,53.086 0,0.254

## Text inside footprints (layer, text, board x,y; h text height)
J1: Top Overlay "1" at 29.444,-0.913 h1 r90
J8: Top Overlay "1" at 41.168,54.126 h1 r270
J9: Top Overlay "1" at 50.907,-0.913 h1 r90
J10: Top Overlay "1" at 62.377,54.126 h1 r270
JP1: Top Overlay "1" at 12.553,5.818 h1 r90
JP2: Top Overlay "1" at 11.787,43.835 h1
JP3: Top Overlay "1" at 64.365,45.867 h1